# Altium PCB top_INA_v2.PcbDoc (part 4 of 4) (continued)
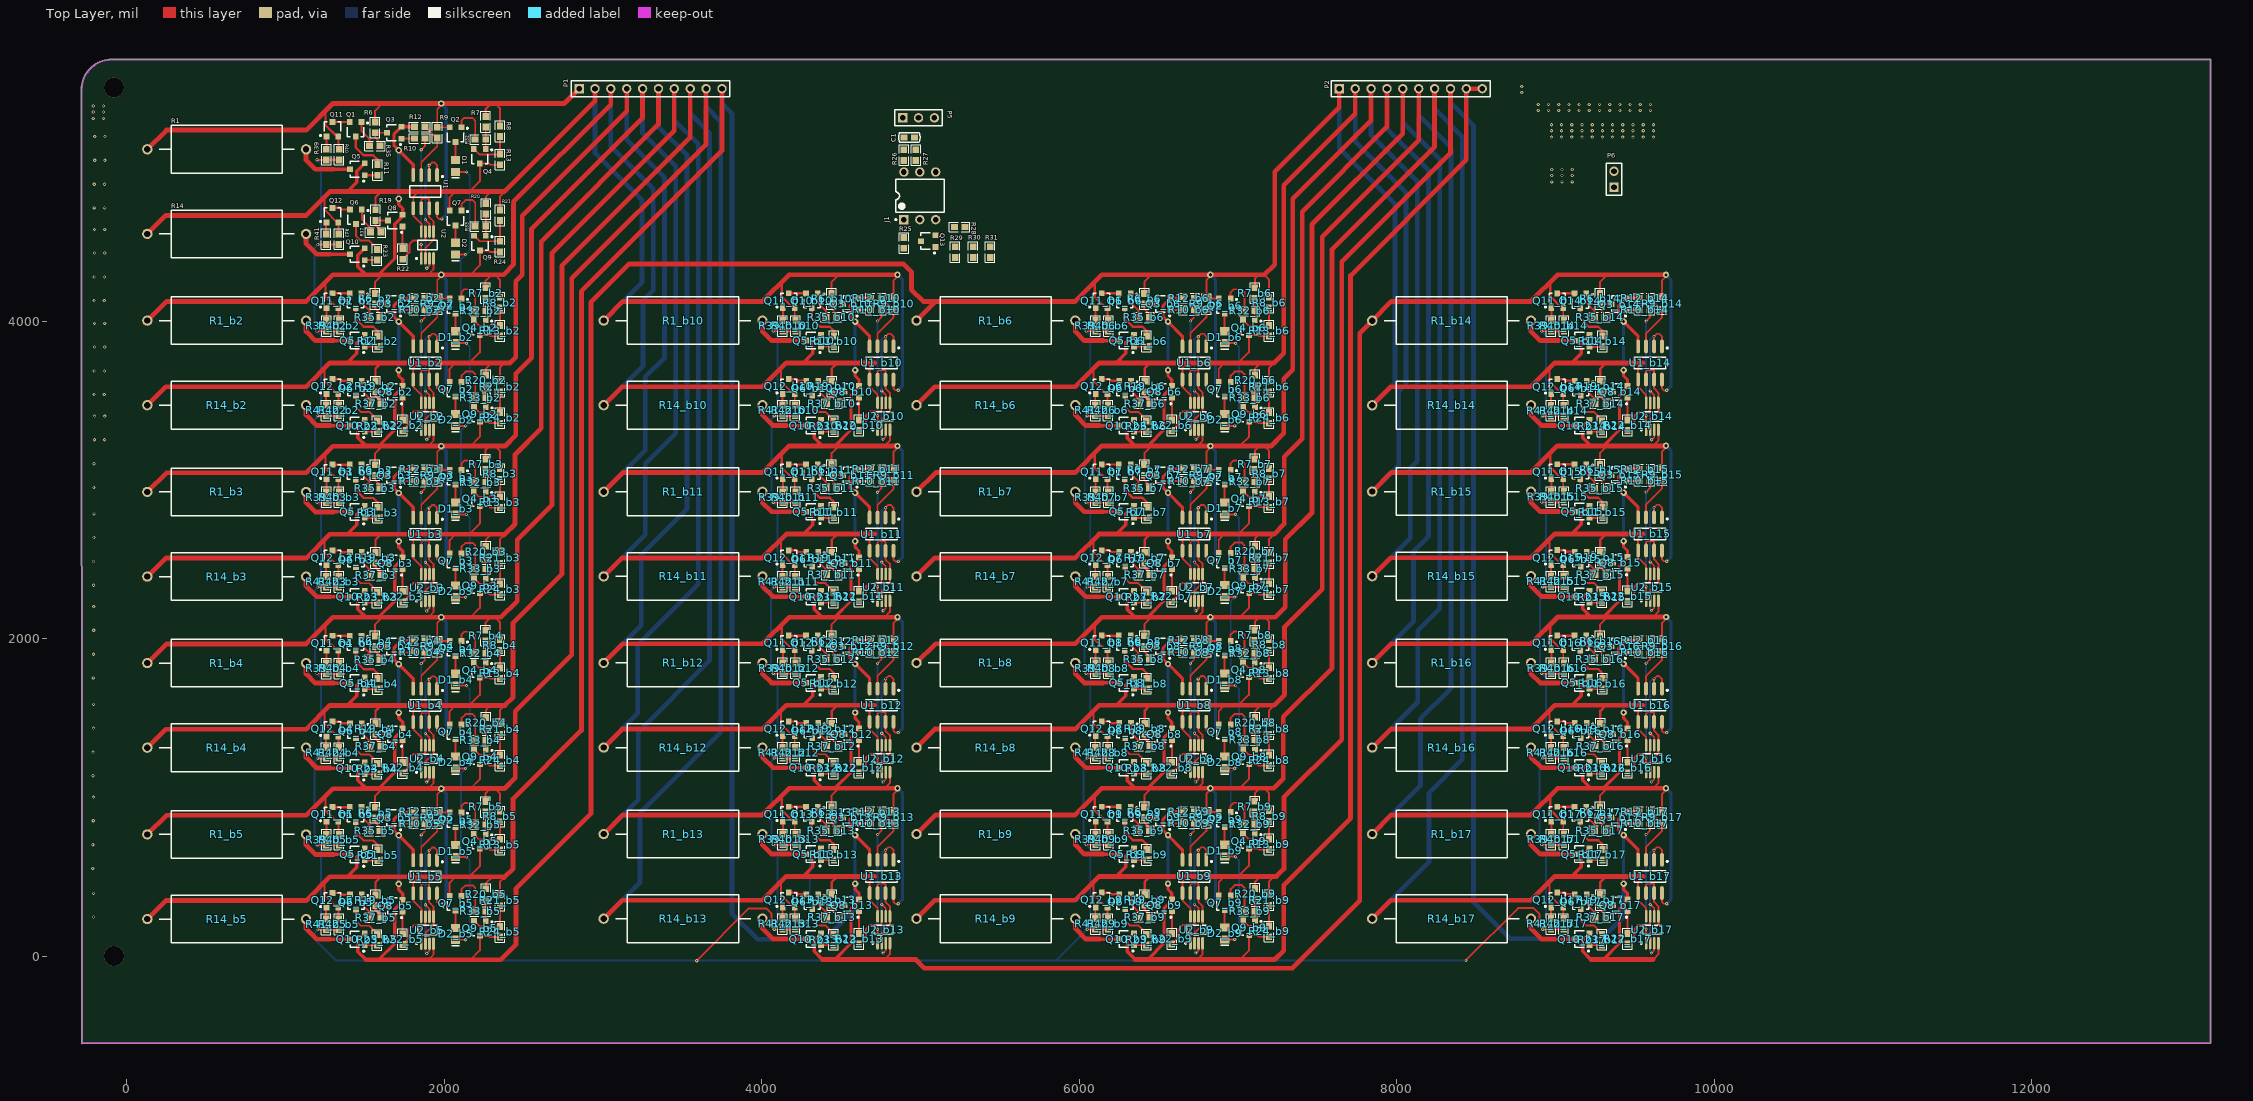
[diagram p0: Top Layer view]
## Nets (pads, with @x,y where several pads share a name; then routed paths per layer and width w, separated by ;. In a path a pad name is that pad's centre, name@x,y a point inside that pad or via, vN(x,y) a via of type N, cw(c..) or ccw(c..) an arc to the next point about the centre after c; other vN are vias at no path point) (continued)
NetQ8_b11_3: Q8_b11.3 R19_b11.1 R37_b11.1 | length 168.3
  Top Layer w15: R37_b11.1@4476.33,2402 4476.33,2414.54 4441.87,2449 R19_b11.1@4441.87,2477.07 4442.4,2476.54 Q8_b11.3@4520.61,2476.53
NetQ8_b12_1: Q8_b12.1 R22_b12.2 | length 139.2
  Top Layer w12: R22_b12.2@4612.87,1222 4613.13,1222.26 Q8_b12.1@4613.13,1361.13
NetQ8_b12_3: Q8_b12.3 R19_b12.1 R37_b12.1 | length 168.3
  Top Layer w15: R37_b12.1@4476.33,1324 4476.33,1336.54 4441.87,1371 R19_b12.1@4441.87,1399.07 4442.4,1398.54 Q8_b12.3@4520.61,1398.53
NetQ8_b13_1: Q8_b13.1 R22_b13.2 | length 139.2
  Top Layer w12: R22_b13.2@4612.87,144 4613.13,144.26 Q8_b13.1@4613.13,283.13
NetQ8_b13_3: Q8_b13.3 R19_b13.1 R37_b13.1 | length 168.3
  Top Layer w15: R37_b13.1@4476.33,246 4476.33,258.54 4441.87,293 R19_b13.1@4441.87,321.07 4442.4,320.54 Q8_b13.3@4520.61,320.53
NetQ8_b14_1: Q8_b14.1 R22_b14.2 | length 139.2
  Top Layer w12: R22_b14.2@9452.87,3377.74 9453.13,3378 Q8_b14.1@9453.13,3516.87
NetQ8_b14_3: Q8_b14.3 R19_b14.1 R37_b14.1 | length 168.3
  Top Layer w15: R37_b14.1@9316.33,3479.74 9316.33,3492.28 9281.87,3526.74 R19_b14.1@9281.87,3554.81 9282.4,3554.28 Q8_b14.3@9360.61,3554.27
NetQ8_b15_1: Q8_b15.1 R22_b15.2 | length 139.2
  Top Layer w12: R22_b15.2@9452.87,2301 9453.13,2301.26 Q8_b15.1@9453.13,2440.13
NetQ8_b15_3: Q8_b15.3 R19_b15.1 R37_b15.1 | length 168.3
  Top Layer w15: R37_b15.1@9316.33,2403 9316.33,2415.54 9281.87,2450 R19_b15.1@9281.87,2478.07 9282.4,2477.54 Q8_b15.3@9360.61,2477.53
NetQ8_b16_1: Q8_b16.1 R22_b16.2 | length 139.2
  Top Layer w12: R22_b16.2@9452.87,1222 9453.13,1222.26 Q8_b16.1@9453.13,1361.13
NetQ8_b16_3: Q8_b16.3 R19_b16.1 R37_b16.1 | length 168.3
  Top Layer w15: R37_b16.1@9316.33,1324 9316.33,1336.54 9281.87,1371 R19_b16.1@9281.87,1399.07 9282.4,1398.54 Q8_b16.3@9360.61,1398.53
NetQ8_b17_1: Q8_b17.1 R22_b17.2 | length 139.2
  Top Layer w12: R22_b17.2@9452.87,144 9453.13,144.26 Q8_b17.1@9453.13,283.13
NetQ8_b17_3: Q8_b17.3 R19_b17.1 R37_b17.1 | length 168.3
  Top Layer w15: R37_b17.1@9316.33,246 9316.33,258.54 9281.87,293 R19_b17.1@9281.87,321.07 9282.4,320.54 Q8_b17.3@9360.61,320.53
NetQ9_1: Q9.1 R20.1 R33.1 | length 135.5
  Top Layer w12: Q9.1@2263.27,4537.8 R20.1@2263.27,4673.27
NetQ9_2: Q9.2 R21.1 R24.2 | length 307.9
  Top Layer w12: Q9.2@2188.46,4537.8 2223.26,4503 R24.2@2351.87,4503 R21.1@2351.87,4633.07
NetQ9_b2_1: Q9_b2.1 R20_b2.1 R33_b2.1 | length 135.5
  Top Layer w12: Q9_b2.1@2263.27,3458.8 R20_b2.1@2263.27,3594.27
NetQ9_b2_2: Q9_b2.2 R21_b2.1 R24_b2.2 | length 307.9
  Top Layer w12: Q9_b2.2@2188.46,3458.8 2223.26,3424 R24_b2.2@2351.87,3424 R21_b2.1@2351.87,3554.07
NetQ9_b3_1: Q9_b3.1 R20_b3.1 R33_b3.1 | length 135.5
  Top Layer w12: Q9_b3.1@2263.27,2379.8 R20_b3.1@2263.27,2515.27
NetQ9_b3_2: Q9_b3.2 R21_b3.1 R24_b3.2 | length 307.9
  Top Layer w12: Q9_b3.2@2188.46,2379.8 2223.26,2345 R24_b3.2@2351.87,2345 R21_b3.1@2351.87,2475.07
NetQ9_b4_1: Q9_b4.1 R20_b4.1 R33_b4.1 | length 135.5
  Top Layer w12: Q9_b4.1@2263.27,1301.8 R20_b4.1@2263.27,1437.27
NetQ9_b4_2: Q9_b4.2 R21_b4.1 R24_b4.2 | length 307.9
  Top Layer w12: Q9_b4.2@2188.46,1301.8 2223.26,1267 R24_b4.2@2351.87,1267 R21_b4.1@2351.87,1397.07
NetQ9_b5_1: Q9_b5.1 R20_b5.1 R33_b5.1 | length 135.5
  Top Layer w12: Q9_b5.1@2263.27,222.8 R20_b5.1@2263.27,358.27
NetQ9_b5_2: Q9_b5.2 R21_b5.1 R24_b5.2 | length 307.9
  Top Layer w12: Q9_b5.2@2188.46,222.8 2223.26,188 R24_b5.2@2351.87,188 R21_b5.1@2351.87,318.07
NetQ9_b6_1: Q9_b6.1 R20_b6.1 R33_b6.1 | length 135.5
  Top Layer w12: Q9_b6.1@7107.27,3458.8 R20_b6.1@7107.27,3594.27
NetQ9_b6_2: Q9_b6.2 R21_b6.1 R24_b6.2 | length 307.9
  Top Layer w12: Q9_b6.2@7032.46,3458.8 7067.26,3424 R24_b6.2@7195.87,3424 R21_b6.1@7195.87,3554.07
NetQ9_b7_1: Q9_b7.1 R20_b7.1 R33_b7.1 | length 135.5
  Top Layer w12: Q9_b7.1@7107.27,2380.8 R20_b7.1@7107.27,2516.27
NetQ9_b7_2: Q9_b7.2 R21_b7.1 R24_b7.2 | length 307.9
  Top Layer w12: Q9_b7.2@7032.46,2380.8 7067.26,2346 R24_b7.2@7195.87,2346 R21_b7.1@7195.87,2476.07
NetQ9_b8_1: Q9_b8.1 R20_b8.1 R33_b8.1 | length 135.5
  Top Layer w12: Q9_b8.1@7107.27,1302.8 R20_b8.1@7107.27,1438.27
NetQ9_b8_2: Q9_b8.2 R21_b8.1 R24_b8.2 | length 307.9
  Top Layer w12: Q9_b8.2@7032.46,1302.8 7067.26,1268 R24_b8.2@7195.87,1268 R21_b8.1@7195.87,1398.07
NetQ9_b9_1: Q9_b9.1 R20_b9.1 R33_b9.1 | length 135.5
  Top Layer w12: Q9_b9.1@7107.27,224.8 R20_b9.1@7107.27,360.27
NetQ9_b9_2: Q9_b9.2 R21_b9.1 R24_b9.2 | length 307.9
  Top Layer w12: Q9_b9.2@7032.46,224.8 7067.26,190 R24_b9.2@7195.87,190 R21_b9.1@7195.87,320.07
NetQ9_b10_1: 
NetQ9_b10_2: 
NetQ9_b11_1: 
NetQ9_b11_2: 
NetQ9_b12_1: 
NetQ9_b12_2: 
NetQ9_b13_1: 
NetQ9_b13_2: 
NetQ9_b14_1: 
NetQ9_b14_2: 
NetQ9_b15_1: 
NetQ9_b15_2: 
NetQ9_b16_1: 
NetQ9_b16_2: 
NetQ9_b17_1: 
NetQ9_b17_2: 
NetQ10_1: Q10.1 R23.1 | length 78.1
  Top Layer w12: Q10.1@1500.13,4384.13 R23.1@1578.19,4384.13
NetQ10_3: Q10.3 R14.1 | length 365.2
  Top Layer w22: 1282.87,4421.54 Q10.3@1407.61,4421.53
  Top Layer w30: R14.1@1131,4549.26 1131,4488.26 1197.72,4421.54 1282.87,4421.54
NetQ10_b2_1: Q10_b2.1 R23_b2.1 | length 78.1
  Top Layer w12: Q10_b2.1@1500.13,3305.13 R23_b2.1@1578.19,3305.13
NetQ10_b2_3: Q10_b2.3 R14_b2.1 | length 365.2
  Top Layer w22: 1282.87,3342.54 Q10_b2.3@1407.61,3342.53
  Top Layer w30: R14_b2.1@1131,3470.26 1131,3409.26 1197.72,3342.54 1282.87,3342.54
NetQ10_b3_1: Q10_b3.1 R23_b3.1 | length 78.1
  Top Layer w12: Q10_b3.1@1500.13,2226.13 R23_b3.1@1578.19,2226.13
NetQ10_b3_3: Q10_b3.3 R14_b3.1 | length 365.2
  Top Layer w22: 1282.87,2263.54 Q10_b3.3@1407.61,2263.53
  Top Layer w30: R14_b3.1@1131,2391.26 1131,2330.26 1197.72,2263.54 1282.87,2263.54
NetQ10_b4_1: Q10_b4.1 R23_b4.1 | length 78.1
  Top Layer w12: Q10_b4.1@1500.13,1148.13 R23_b4.1@1578.19,1148.13
NetQ10_b4_3: Q10_b4.3 R14_b4.1 | length 365.2
  Top Layer w22: 1282.87,1185.54 Q10_b4.3@1407.61,1185.53
  Top Layer w30: R14_b4.1@1131,1313.26 1131,1252.26 1197.72,1185.54 1282.87,1185.54
NetQ10_b5_1: Q10_b5.1 R23_b5.1 | length 78.1
  Top Layer w12: Q10_b5.1@1500.13,69.13 R23_b5.1@1578.19,69.13
NetQ10_b5_3: Q10_b5.3 R14_b5.1 | length 365.2
  Top Layer w22: 1282.87,106.54 Q10_b5.3@1407.61,106.53
  Top Layer w30: R14_b5.1@1131,234.26 1131,173.26 1197.72,106.54 1282.87,106.54
NetQ10_b6_1: Q10_b6.1 R23_b6.1 | length 78.1
  Top Layer w12: Q10_b6.1@6344.13,3305.13 R23_b6.1@6422.19,3305.13
NetQ10_b6_3: Q10_b6.3 R14_b6.1 | length 365.2
  Top Layer w22: 6126.87,3342.54 Q10_b6.3@6251.61,3342.53
  Top Layer w30: R14_b6.1@5975,3470.26 5975,3409.26 6041.72,3342.54 6126.87,3342.54
NetQ10_b7_1: Q10_b7.1 R23_b7.1 | length 78.1
  Top Layer w12: Q10_b7.1@6344.13,2227.13 R23_b7.1@6422.19,2227.13
NetQ10_b7_3: Q10_b7.3 R14_b7.1 | length 365.2
  Top Layer w22: 6126.87,2264.54 Q10_b7.3@6251.61,2264.53
  Top Layer w30: R14_b7.1@5975,2392.26 5975,2331.26 6041.72,2264.54 6126.87,2264.54
NetQ10_b8_1: Q10_b8.1 R23_b8.1 | length 78.1
  Top Layer w12: Q10_b8.1@6344.13,1149.13 R23_b8.1@6422.19,1149.13
NetQ10_b8_3: Q10_b8.3 R14_b8.1 | length 365.2
  Top Layer w22: 6126.87,1186.54 Q10_b8.3@6251.61,1186.54
  Top Layer w30: R14_b8.1@5975,1314.26 5975,1253.26 6041.72,1186.54 6126.87,1186.54
NetQ10_b9_1: Q10_b9.1 R23_b9.1 | length 78.1
  Top Layer w12: Q10_b9.1@6344.13,71.13 R23_b9.1@6422.19,71.13
NetQ10_b9_3: Q10_b9.3 R14_b9.1 | length 365.2
  Top Layer w22: 6126.87,108.54 Q10_b9.3@6251.61,108.53
  Top Layer w30: R14_b9.1@5975,236.26 5975,175.26 6041.72,108.54 6126.87,108.54
NetQ10_b10_1: Q10_b10.1 R23_b10.1 | length 78.1
  Top Layer w12: Q10_b10.1@4374.13,3305.13 R23_b10.1@4452.19,3305.13
NetQ10_b10_3: Q10_b10.3 R14_b10.1 | length 365.2
  Top Layer w22: 4156.87,3342.54 Q10_b10.3@4281.61,3342.53
  Top Layer w30: R14_b10.1@4005,3470.26 4005,3409.26 4071.72,3342.54 4156.87,3342.54
NetQ10_b11_1: Q10_b11.1 R23_b11.1 | length 78.1
  Top Layer w12: Q10_b11.1@4374.13,2227.13 R23_b11.1@4452.19,2227.13
NetQ10_b11_3: Q10_b11.3 R14_b11.1 | length 365.2
  Top Layer w22: 4156.87,2264.54 Q10_b11.3@4281.61,2264.53
  Top Layer w30: R14_b11.1@4005,2392.26 4005,2331.26 4071.72,2264.54 4156.87,2264.54
NetQ10_b12_1: Q10_b12.1 R23_b12.1 | length 78.1
  Top Layer w12: Q10_b12.1@4374.13,1149.13 R23_b12.1@4452.19,1149.13
NetQ10_b12_3: Q10_b12.3 R14_b12.1 | length 365.2
  Top Layer w22: 4156.87,1186.54 Q10_b12.3@4281.61,1186.53
  Top Layer w30: R14_b12.1@4005,1314.26 4005,1253.26 4071.72,1186.54 4156.87,1186.54
NetQ10_b13_1: Q10_b13.1 R23_b13.1 | length 78.1
  Top Layer w12: Q10_b13.1@4374.13,71.13 R23_b13.1@4452.19,71.13
NetQ10_b13_3: Q10_b13.3 R14_b13.1 | length 365.2
  Top Layer w22: 4156.87,108.54 Q10_b13.3@4281.61,108.53
  Top Layer w30: R14_b13.1@4005,236.26 4005,175.26 4071.72,108.54 4156.87,108.54
NetQ10_b14_1: Q10_b14.1 R23_b14.1 | length 78.1
  Top Layer w12: Q10_b14.1@9214.13,3304.87 R23_b14.1@9292.19,3304.87
NetQ10_b14_3: Q10_b14.3 R14_b14.1 | length 365.2
  Top Layer w22: 8996.87,3342.28 Q10_b14.3@9121.61,3342.27
  Top Layer w30: R14_b14.1@8845,3470 8845,3409 8911.72,3342.28 8996.87,3342.28
NetQ10_b15_1: Q10_b15.1 R23_b15.1 | length 78.1
  Top Layer w12: Q10_b15.1@9214.13,2228.13 R23_b15.1@9292.19,2228.13
NetQ10_b15_3: Q10_b15.3 R14_b15.1 | length 365.2
  Top Layer w22: 8996.87,2265.54 Q10_b15.3@9121.61,2265.53
  Top Layer w30: R14_b15.1@8845,2393.26 8845,2332.26 8911.72,2265.54 8996.87,2265.54
NetQ10_b16_1: Q10_b16.1 R23_b16.1 | length 78.1
  Top Layer w12: Q10_b16.1@9214.13,1149.13 R23_b16.1@9292.19,1149.13
NetQ10_b16_3: Q10_b16.3 R14_b16.1 | length 365.2
  Top Layer w22: 8996.87,1186.54 Q10_b16.3@9121.61,1186.53
  Top Layer w30: R14_b16.1@8845,1314.26 8845,1253.26 8911.72,1186.54 8996.87,1186.54
NetQ10_b17_1: Q10_b17.1 R23_b17.1 | length 78.1
  Top Layer w12: Q10_b17.1@9214.13,71.13 R23_b17.1@9292.19,71.13
NetQ10_b17_3: Q10_b17.3 R14_b17.1 | length 365.2
  Top Layer w22: 8996.87,108.54 Q10_b17.3@9121.61,108.53
  Top Layer w30: R14_b17.1@8845,236.26 8845,175.26 8911.72,108.54 8996.87,108.54
NetQ11_1: Q11.1 R39.2 | length 79.9
  Top Layer w12: R39.2@1258,5082.72 1259.6,5084.32 Q11.1@1259.6,5162
NetQ11_b2_1: Q11_b2.1 R39_b2.2 | length 79.9
  Top Layer w12: R39_b2.2@1258,4003.72 1259.6,4005.32 Q11_b2.1@1259.6,4083
NetQ11_b3_1: Q11_b3.1 R39_b3.2 | length 79.9
  Top Layer w12: R39_b3.2@1258,2924.72 1259.6,2926.32 Q11_b3.1@1259.6,3004
NetQ11_b4_1: Q11_b4.1 R39_b4.2 | length 79.9
  Top Layer w12: R39_b4.2@1258,1846.72 1259.6,1848.32 Q11_b4.1@1259.6,1926
NetQ11_b5_1: Q11_b5.1 R39_b5.2 | length 79.9
  Top Layer w12: R39_b5.2@1258,767.72 1259.6,769.32 Q11_b5.1@1259.6,847
NetQ11_b6_1: Q11_b6.1 R39_b6.2 | length 79.9
  Top Layer w12: R39_b6.2@6102,4003.72 6103.6,4005.32 Q11_b6.1@6103.6,4083
NetQ11_b7_1: Q11_b7.1 R39_b7.2 | length 79.9
  Top Layer w12: R39_b7.2@6102,2925.72 6103.6,2927.32 Q11_b7.1@6103.6,3005
NetQ11_b8_1: Q11_b8.1 R39_b8.2 | length 79.9
  Top Layer w12: R39_b8.2@6102,1847.72 6103.6,1849.32 Q11_b8.1@6103.6,1927
NetQ11_b9_1: Q11_b9.1 R39_b9.2 | length 79.9
  Top Layer w12: R39_b9.2@6102,769.72 6103.6,771.32 Q11_b9.1@6103.6,849
NetQ11_b10_1: Q11_b10.1 R39_b10.2 | length 79.9
  Top Layer w12: R39_b10.2@4132,4003.72 4133.6,4005.32 Q11_b10.1@4133.6,4083
NetQ11_b11_1: Q11_b11.1 R39_b11.2 | length 79.9
  Top Layer w12: R39_b11.2@4132,2925.72 4133.6,2927.32 Q11_b11.1@4133.6,3005
NetQ11_b12_1: Q11_b12.1 R39_b12.2 | length 79.9
  Top Layer w12: R39_b12.2@4132,1847.72 4133.6,1849.32 Q11_b12.1@4133.6,1927
NetQ11_b13_1: Q11_b13.1 R39_b13.2 | length 79.9
  Top Layer w12: R39_b13.2@4132,769.72 4133.6,771.32 Q11_b13.1@4133.6,849
NetQ11_b14_1: Q11_b14.1 R39_b14.2 | length 79.9
  Top Layer w12: R39_b14.2@8972,4003.46 8973.6,4005.06 Q11_b14.1@8973.6,4082.74
NetQ11_b15_1: Q11_b15.1 R39_b15.2 | length 79.9
  Top Layer w12: R39_b15.2@8972,2926.72 8973.6,2928.32 Q11_b15.1@8973.6,3006
NetQ11_b16_1: Q11_b16.1 R39_b16.2 | length 79.9
  Top Layer w12: R39_b16.2@8972,1847.72 8973.6,1849.32 Q11_b16.1@8973.6,1927
NetQ11_b17_1: Q11_b17.1 R39_b17.2 | length 79.9
  Top Layer w12: R39_b17.2@8972,769.72 8973.6,771.32 Q11_b17.1@8973.6,849
NetQ12_1: Q12.1 R41.1 | length 72.4
  Top Layer w12: R41.1@1257,4549.72 1257,4618.4 Q12.1@1259.6,4621
NetQ12_b2_1: Q12_b2.1 R41_b2.1 | length 72.4
  Top Layer w12: R41_b2.1@1257,3470.72 1257,3539.4 Q12_b2.1@1259.6,3542
NetQ12_b3_1: Q12_b3.1 R41_b3.1 | length 72.4
  Top Layer w12: R41_b3.1@1257,2391.72 1257,2460.4 Q12_b3.1@1259.6,2463
NetQ12_b4_1: Q12_b4.1 R41_b4.1 | length 72.4
  Top Layer w12: R41_b4.1@1257,1313.72 1257,1382.4 Q12_b4.1@1259.6,1385
NetQ12_b5_1: Q12_b5.1 R41_b5.1 | length 72.4
  Top Layer w12: R41_b5.1@1257,234.72 1257,303.4 Q12_b5.1@1259.6,306
NetQ12_b6_1: Q12_b6.1 R41_b6.1 | length 72.4
  Top Layer w12: R41_b6.1@6101,3470.72 6101,3539.4 Q12_b6.1@6103.6,3542
NetQ12_b7_1: Q12_b7.1 R41_b7.1 | length 72.4
  Top Layer w12: R41_b7.1@6101,2392.72 6101,2461.4 Q12_b7.1@6103.6,2464
NetQ12_b8_1: Q12_b8.1 R41_b8.1 | length 72.4
  Top Layer w12: R41_b8.1@6101,1314.72 6101,1383.4 Q12_b8.1@6103.6,1386
NetQ12_b9_1: Q12_b9.1 R41_b9.1 | length 72.4
  Top Layer w12: R41_b9.1@6101,236.72 6101,305.4 Q12_b9.1@6103.6,308
NetQ12_b10_1: Q12_b10.1 R41_b10.1 | length 72.4
  Top Layer w12: R41_b10.1@4131,3470.72 4131,3539.4 Q12_b10.1@4133.6,3542
NetQ12_b11_1: Q12_b11.1 R41_b11.1 | length 72.4
  Top Layer w12: R41_b11.1@4131,2392.72 4131,2461.4 Q12_b11.1@4133.6,2464
NetQ12_b12_1: Q12_b12.1 R41_b12.1 | length 72.4
  Top Layer w12: R41_b12.1@4131,1314.72 4131,1383.4 Q12_b12.1@4133.6,1386
NetQ12_b13_1: Q12_b13.1 R41_b13.1 | length 72.4
  Top Layer w12: R41_b13.1@4131,236.72 4131,305.4 Q12_b13.1@4133.6,308
NetQ12_b14_1: Q12_b14.1 R41_b14.1 | length 72.4
  Top Layer w12: R41_b14.1@8971,3470.46 8971,3539.14 Q12_b14.1@8973.6,3541.74
NetQ12_b15_1: Q12_b15.1 R41_b15.1 | length 72.4
  Top Layer w12: R41_b15.1@8971,2393.72 8971,2462.4 Q12_b15.1@8973.6,2465
NetQ12_b16_1: Q12_b16.1 R41_b16.1 | length 72.4
  Top Layer w12: R41_b16.1@8971,1314.72 8971,1383.4 Q12_b16.1@8973.6,1386
NetQ12_b17_1: Q12_b17.1 R41_b17.1 | length 72.4
  Top Layer w12: R41_b17.1@8971,236.72 8971,305.4 Q12_b17.1@8973.6,308
NetQ13_1: Q13.1 R28.2 R29.2 R30.2 R31.2
OUT2: D1.2 D1_b2.2 D1_b3.2 D2.2 D2_b2.2 D2_b3.2 R29.1 | length 3196.6
  Top Layer w12: D2_b3.2@2071.87,2261.13 v1(2135.46,2261.13) ; D1_b3.2@2071.87,2782.13 v1(2140.46,2782.13) ; D2_b2.2@2071.87,3340.13 v1(2135.46,3340.13) ; D1_b2.2@2071.87,3861.13 v1(2140.46,3861.13) ; D2.2@2071.87,4419.13 v1(2135.46,4419.13) ; D1.2@2071.87,4940.13 v1(2140.46,4940.13)
  Bottom Layer w12: v1(2135.46,2261.13) 2140.75,2261.13 2161.61,2282 2161.61,2760.98 v1(2140.46,2782.13) 2107,2815.6 2107,3311.67 v1(2135.46,3340.13) 2140.75,3340.13 2161.61,3361 2161.61,3839.98 v1(2140.46,3861.13) 2105,3896.6 2105,4388.67 v1(2135.46,4419.13) 2140.75,4419.13 2161.61,4440 2161.61,4918.98 v1(2140.46,4940.13)
OUT5: D1_b4.2 D1_b5.2 D1_b6.2 D2_b4.2 D2_b5.2 D2_b6.2 R30.1 | length 2611.3
  Top Layer w12: D2_b5.2@2071.87,104.13 v1(2135.46,104.13) ; D1_b5.2@2071.87,625.13 v1(2140.46,625.13) ; D2_b4.2@2071.87,1183.13 v1(2135.46,1183.13) ; D1_b4.2@2071.87,1704.13 v1(2140.46,1704.13) ; D2_b6.2@6915.87,3340.13 v1(6979.46,3340.13) ; D1_b6.2@6915.87,3861.13 v1(6984.46,3861.13)
  Bottom Layer w12: v1(2135.46,104.13) 2140.75,104.13 2161.61,125 2161.61,603.98 v1(2140.46,625.13) 2107,658.6 2107,1154.67 v1(2135.46,1183.13) 2140.75,1183.13 2161.61,1204 2161.61,1682.98 v1(2140.46,1704.13) ; v1(6979.46,3340.13) 6984.75,3340.13 7005.61,3361 7005.61,3839.98 v1(6984.46,3861.13)
OUT8: D1_b7.2 D1_b8.2 D1_b9.2 D2_b7.2 D2_b8.2 D2_b9.2 R31.1 | length 3188
  Top Layer w12: D2_b9.2@6915.87,106.13 v1(6979.46,106.13) ; D1_b9.2@6915.87,627.13 v1(6984.46,627.13) ; D2_b8.2@6915.87,1184.13 v1(6979.46,1184.13) ; D1_b8.2@6915.87,1705.13 v1(6984.46,1705.13) ; D2_b7.2@6915.87,2262.13 v1(6979.46,2262.13) ; D1_b7.2@6915.87,2783.13 v1(6984.46,2783.13)
  Bottom Layer w12: v1(6979.46,106.13) 6984.75,106.13 7005.61,127 7005.61,605.98 v1(6984.46,627.13) 6954,657.6 6954,1158.67 v1(6979.46,1184.13) 6984.75,1184.13 7005.61,1205 7005.61,1683.98 v1(6984.46,1705.13) 6954,1735.6 6954,2236.67 v1(6979.46,2262.13) 6984.75,2262.13 7005.61,2283 7005.61,2761.98 v1(6984.46,2783.13)
OUT9: 
OUT10: 
OUT11: 
OUT12: 
OUT13: 
OUT14:  | length 675.9
  Top Layer w12: 4212.87,209.13 v1(4276.46,209.13) ; 4212.87,730.13 v1(4281.46,730.13)
  Bottom Layer w12: v1(4276.46,209.13) 4281.75,209.13 4302.61,230 4302.61,708.98 v1(4281.46,730.13)
OUT15: 
OUT16: 
OUT_G16: C1.2 J1.4 P5.2 R26.2 R39.1 R39_b2.1 R39_b3.1 R39_b4.1 R39_b5.1 R39_b6.1 R39_b7.1 R39_b8.1 R39_b9.1 R39_b10.1 R39_b11.1 R39_b12.1 R39_b13.1 R39_b14.1 R39_b15.1 R39_b16.1 R39_b17.1 R40.2 R40_b2.2 R40_b3.2 R40_b4.2 R40_b5.2 R40_b6.2 R40_b7.2 R40_b8.2 R40_b9.2 R40_b10.2 R40_b11.2 R40_b12.2 R40_b13.2 R40_b14.2 R40_b15.2 R40_b16.2 R40_b17.2 R41.2 R41_b2.2 R41_b3.2 R41_b4.2 R41_b5.2 R41_b6.2 R41_b7.2 R41_b8.2 R41_b9.2 R41_b10.2 R41_b11.2 R41_b12.2 R41_b13.2 R41_b14.2 R41_b15.2 R41_b16.2 R41_b17.2 R42.2 R42_b2.2 R42_b3.2 R42_b4.2 R42_b5.2 R42_b6.2 R42_b7.2 R42_b8.2 R42_b9.2 R42_b10.2 R42_b11.2 R42_b12.2 R42_b13.2 R42_b14.2 R42_b15.2 R42_b16.2 R42_b17.2 | length 30353.7
  Top Layer w12: v1@1199.99,700.8 R39_b5.1@1258,700.8 ; v1@1199.99,1779.8 R39_b4.1@1258,1779.8 ; v1@1199.99,2857.8 R39_b3.1@1258,2857.8 ; v1@1199.99,3936.8 R39_b2.1@1258,3936.8 ; v1@1199.99,5015.8 R39.1@1258,5015.8 ; v1(1205.25,167.54) R41_b5.2@1256.74,167.54 ; v1(1205.25,1246.54) R41_b4.2@1256.74,1246.54 ; v1(1205.25,2324.54) R41_b3.2@1256.74,2324.54 ; v1(1205.25,3403.54) R41_b2.2@1256.74,3403.54 ; v1(1205.25,4482.54) R41.2@1256.74,4482.54 ; v1(3591,-28) 3920,301 4029,301 4062,268 4062,186.79 v1(4079.25,169.54) R41_b13.2@4130.74,169.54 ; v1@4073.99,702.8 R39_b13.1@4132,702.8 ; v1@4073.99,1780.8 R39_b12.1@4132,1780.8 ; v1@4073.99,2858.8 R39_b11.1@4132,2858.8 ; v1@4073.99,3936.8 R39_b10.1@4132,3936.8 ; v1(4079.25,1247.54) R41_b12.2@4130.74,1247.54 ; v1(4079.25,2325.54) R41_b11.2@4130.74,2325.54 ; v1(4079.25,3403.54) R41_b10.2@4130.74,3403.54 ; v1@6043.99,702.8 R39_b9.1@6102,702.8 ; v1@6043.99,1780.8 R39_b8.1@6102,1780.8 ; v1@6043.99,2858.8 R39_b7.1@6102,2858.8 ; v1@6043.99,3936.8 R39_b6.1@6102,3936.8 ; v1(6049.25,169.54) R41_b9.2@6100.74,169.54 ; v1(6049.25,1247.54) R41_b8.2@6100.74,1247.54 ; v1(6049.25,2325.54) R41_b7.2@6100.74,2325.54 ; v1(6049.25,3403.54) R41_b6.2@6100.74,3403.54 ; v1(8435,-26) 8764,303 8861,303 8900,264 8900,188.79 v1(8919.25,169.54) R41_b17.2@8970.74,169.54 ; v1@8913.99,702.8 R39_b17.1@8972,702.8 ; v1@8913.99,1780.8 R39_b16.1@8972,1780.8 ; v1@8913.99,2859.8 R39_b15.1@8972,2859.8 ; v1@8913.99,3936.54 R39_b14.1@8972,3936.54 ; v1(8919.25,1247.54) R41_b16.2@8970.74,1247.54 ; v1(8919.25,2326.54) R41_b15.2@8970.74,2326.54 ; v1(8919.25,3403.28) R41_b14.2@8970.74,3403.28
  Top Layer w15: v1(1199.25,701.54) v1@1199.99,700.8 ; v1(1199.25,1780.54) v1@1199.99,1779.8 ; v1(1199.25,2858.54) v1@1199.99,2857.8 ; v1(1199.25,3937.54) v1@1199.99,3936.8 ; v1(1199.25,5016.54) v1@1199.99,5015.8 ; R41_b5.2@1256.74,167.54 R41_b5.2@1257,167.8 R42_b5.2@1337,167.8 ; R41_b4.2@1256.74,1246.54 R41_b4.2@1257,1246.8 R42_b4.2@1337,1246.8 ; R41_b3.2@1256.74,2324.54 R41_b3.2@1257,2324.8 R42_b3.2@1337,2324.8 ; R41_b2.2@1256.74,3403.54 R41_b2.2@1257,3403.8 R42_b2.2@1337,3403.8 ; R41.2@1256.74,4482.54 R41.2@1257,4482.8 R42.2@1337,4482.8 ; R39_b5.1@1258,700.8 R40_b5.2@1339,700.8 ; R39_b4.1@1258,1779.8 R40_b4.2@1339,1779.8 ; R39_b3.1@1258,2857.8 R40_b3.2@1339,2857.8 ; R39_b2.1@1258,3936.8 R40_b2.2@1339,3936.8 ; R39.1@1258,5015.8 R40.2@1339,5015.8 ; v1(4073.25,703.54) v1@4073.99,702.8 ; v1(4073.25,1781.54) v1@4073.99,1780.8 ; v1(4073.25,2859.54) v1@4073.99,2858.8 ; v1(4073.25,3937.54) v1@4073.99,3936.8 ; R41_b13.2@4130.74,169.54 R41_b13.2@4131,169.8 R42_b13.2@4211,169.8 ; R41_b12.2@4130.74,1247.54 R41_b12.2@4131,1247.8 R42_b12.2@4211,1247.8 ; R41_b11.2@4130.74,2325.54 R41_b11.2@4131,2325.8 R42_b11.2@4211,2325.8 ; R41_b10.2@4130.74,3403.54 R41_b10.2@4131,3403.8 R42_b10.2@4211,3403.8 ; R39_b13.1@4132,702.8 R40_b13.2@4213,702.8 ; R39_b12.1@4132,1780.8 R40_b12.2@4213,1780.8 ; R39_b11.1@4132,2858.8 R40_b11.2@4213,2858.8 ; R39_b10.1@4132,3936.8 R40_b10.2@4213,3936.8 ; v1(6043.25,703.54) v1@6043.99,702.8 ; v1(6043.25,1781.54) v1@6043.99,1780.8 ; v1(6043.25,2859.54) v1@6043.99,2858.8 ; v1(6043.25,3937.54) v1@6043.99,3936.8 ; R41_b9.2@6100.74,169.54 R41_b9.2@6101,169.8 R42_b9.2@6181,169.8 ; R41_b8.2@6100.74,1247.54 R41_b8.2@6101,1247.8 R42_b8.2@6181,1247.8 ; R41_b7.2@6100.74,2325.54 R41_b7.2@6101,2325.8 R42_b7.2@6181,2325.8 ; R41_b6.2@6100.74,3403.54 R41_b6.2@6101,3403.8 R42_b6.2@6181,3403.8 ; R39_b9.1@6102,702.8 R40_b9.2@6183,702.8 ; R39_b8.1@6102,1780.8 R40_b8.2@6183,1780.8 ; R39_b7.1@6102,2858.8 R40_b7.2@6183,2858.8 ; R39_b6.1@6102,3936.8 R40_b6.2@6183,3936.8 ; v1(8913.25,703.54) v1@8913.99,702.8 ; v1(8913.25,1781.54) v1@8913.99,1780.8 ; v1(8913.25,2860.54) v1@8913.99,2859.8 ; v1(8913.25,3937.28) v1@8913.99,3936.54 ; R41_b17.2@8970.74,169.54 R41_b17.2@8971,169.8 R42_b17.2@9051,169.8 ; R41_b16.2@8970.74,1247.54 R41_b16.2@8971,1247.8 R42_b16.2@9051,1247.8 ; R41_b15.2@8970.74,2326.54 R41_b15.2@8971,2326.8 R42_b15.2@9051,2326.8 ; R41_b14.2@8970.74,3403.28 R41_b14.2@8971,3403.54 R42_b14.2@9051,3403.54 ; R39_b17.1@8972,702.8 R40_b17.2@9053,702.8 ; R39_b16.1@8972,1780.8 R40_b16.2@9053,1780.8 ; R39_b15.1@8972,2859.8 R40_b15.2@9053,2859.8 ; R39_b14.1@8972,3936.54 R40_b14.2@9053,3936.54
  Bottom Layer w12: v1(1199.25,5016.54) 1225.25,4990.54 1225.25,4502.54 v1(1205.25,4482.54) 1185,4462.28 1185,3951.79 v1(1199.25,3937.54) 1225.25,3911.54 1225.25,3423.54 v1(1205.25,3403.54) 1187,3385.28 1187,2870.79 v1(1199.25,2858.54) 1225.25,2832.54 1225.25,2344.54 v1(1205.25,2324.54) 1187,2306.28 1187,1792.79 v1(1199.25,1780.54) 1225.25,1754.54 1225.25,1266.54 v1(1205.25,1246.54) 1185,1226.28 1185,715.79 v1(1199.25,701.54) 1225.25,675.54 1225.25,187.54 v1(1205.25,167.54) 1185,147.28 1185,108 1320,-27 5856,-27 ; v1(4073.25,3937.54) 4099.25,3911.54 4099.25,3423.54 v1(4079.25,3403.54) 4062,3386.28 4062,2870.79 v1(4073.25,2859.54) 4099.25,2833.54 4099.25,2345.54 v1(4079.25,2325.54) 4060,2306.28 4060,1794.79 v1(4073.25,1781.54) 4099.25,1755.54 4099.25,1267.54 v1(4079.25,1247.54) 4062,1230.28 4062,714.79 v1(4073.25,703.54) 4099.25,677.54 4099.25,189.54 v1(4079.25,169.54) ; 6035,2867.79 6035,3389.28 v1(6049.25,3403.54) 6069.25,3423.54 6069.25,3911.54 v1(6043.25,3937.54) ; v1(6043.25,2859.54) 6069.25,2833.54 6069.25,2345.54 v1(6049.25,2325.54) 6032,2308.28 6032,1792.79 v1(6043.25,1781.54) 6069.25,1755.54 6069.25,1267.54 v1(6049.25,1247.54) 6027,1225.28 6027,719.79 v1(6043.25,703.54) 6069.25,677.54 6069.25,189.54 v1(6049.25,169.54) 5856,-23.72 5856,-27 ; v1(8435,-26) 8435,-27 5856,-27 ; v1(8913.25,3937.28) 8939.25,3911.28 8939.25,3423.28 v1(8919.25,3403.28) 8899,3383.02 8899,2874.79 v1(8913.25,2860.54) 8939.25,2834.54 8939.25,2346.54 v1(8919.25,2326.54) 8901,2308.28 8901,1793.79 v1(8913.25,1781.54) 8939.25,1755.54 8939.25,1267.54 v1(8919.25,1247.54) 8900,1228.28 8900,716.79 v1(8913.25,703.54) 8939.25,677.54 8939.25,189.54 v1(8919.25,169.54)
pads on no net: J1.3
copper on no net: | length 1523.2
  Top Layer w12: 1855.87,3632.05 1855.87,3684.54 1863.87,3692.54 1900.87,3692.54 1905.87,3687.54 1905.87,3632.05 1905.87,3576.54 1933.25,3549.15 1933.25,3485.18 1933.25,3431.92 1882.07,3380.74 1882.07,3315.89 ; v1(1881.87,3560.54) 1907.66,3534.74 1907.66,3485.18 ; v1(1890.87,3253.54) 1907.66,3270.33 1907.66,3315.89 1908.39,3316.62 ; 1905.87,3841.02 v1(1905.87,3902.54) 1923.87,3920.54 1938.87,3920.54 1955.87,3903.54 1955.87,3841.02
  Bottom Layer w12: v1(1890.87,3253.54) 1881.87,3262.54 v1(1881.87,3560.54) 1881.87,3884.54 1899.87,3902.54 v1(1905.87,3902.54)
  other v3: -78.74,0 -78.74,5472.44

## Keep-outs
Keep-Out Layer:
  lines w10: -93.94,5644.99 ccw(c-93,5456.99) -281,5458 -277.83,-544.98 13122,-542.66 13122,5645 11561.03,5645 -93,5645

## Dimensions
-854,5644 to -879,-200 on Keep-Out Layer
-284.45,-846 to 9764,-851 on Keep-Out Layer